# Altium PCB IntelliModule-Alpha-PCB-Rev-B.PcbDoc (continued)
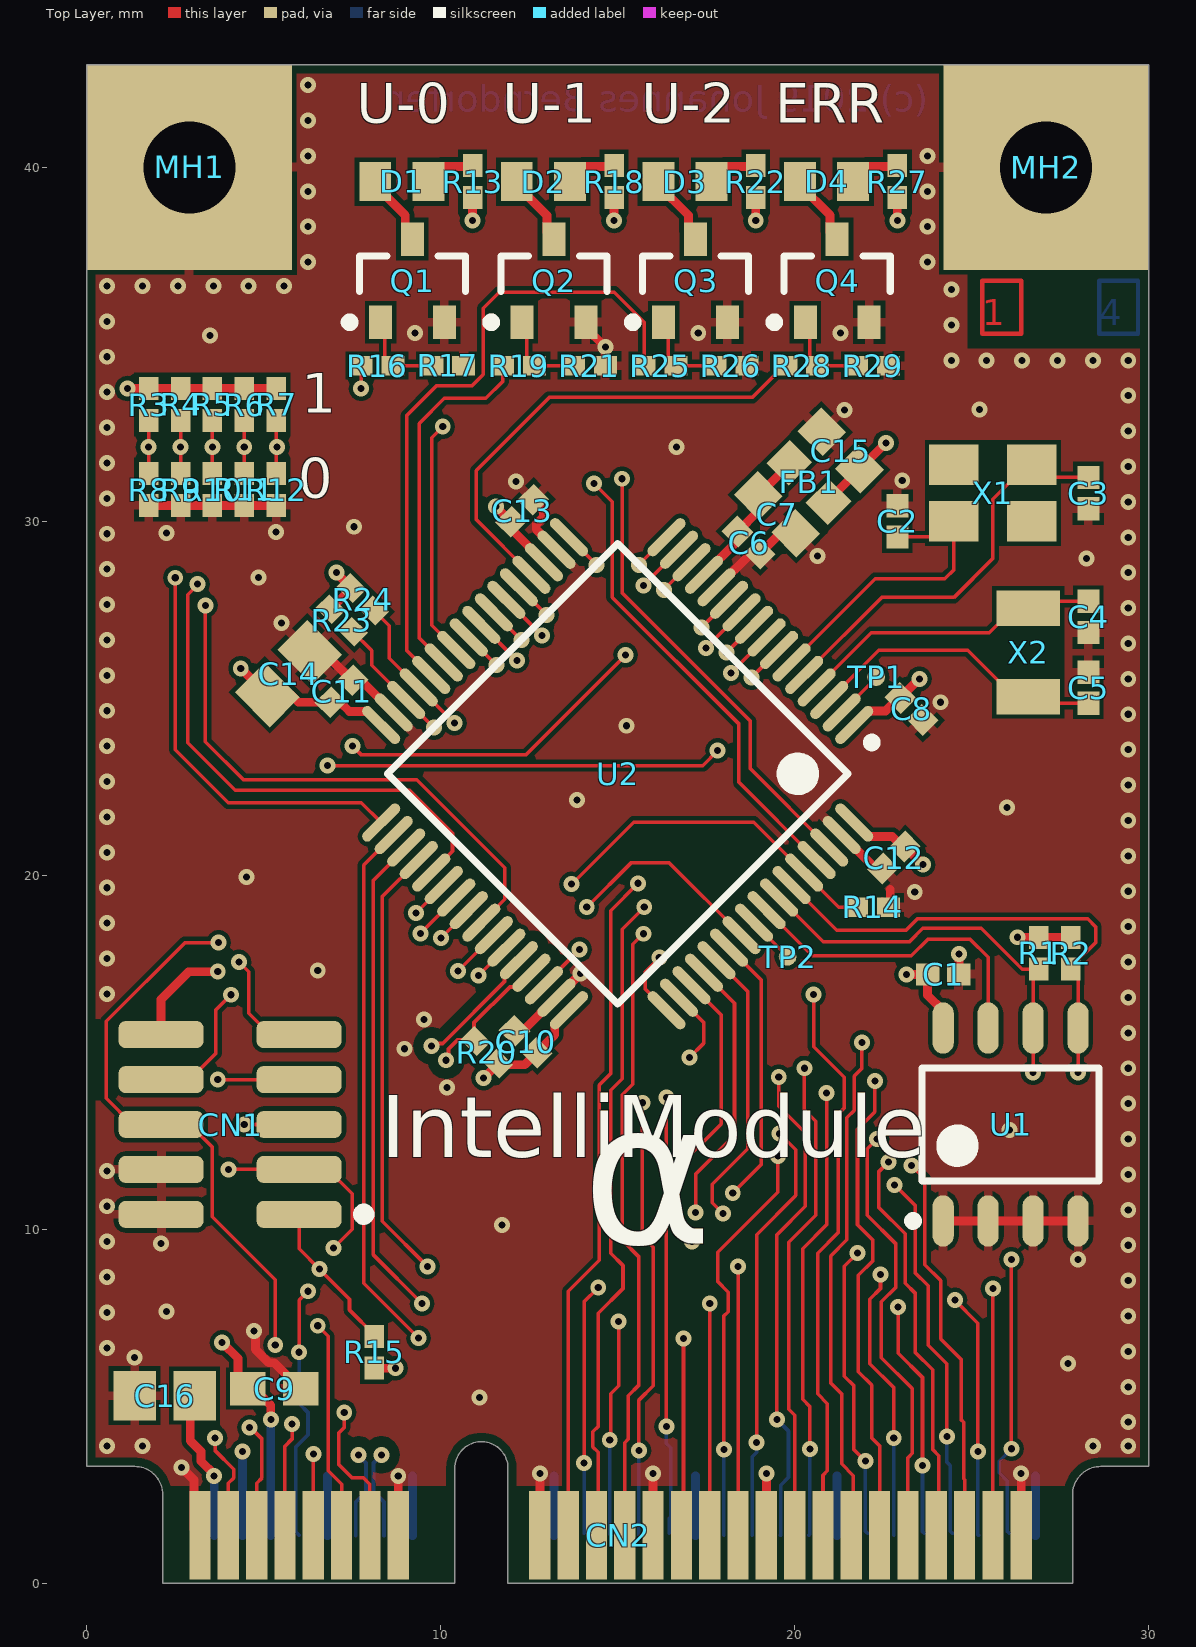
[diagram p0: Top Layer view]
## Part data (continued)
U2: "IC MCU STM32F103 ARM CORTEX M3 32 BIT 72MHz 256K FLASH 48K RAM LQFP-64", Case/Package=LQFP, Frequency=72MHz, Internal Part Number=IC000049, Manufacturer=STMicroelectronics, Max Operating Temperature=85°C, Max Power Dissipation=444mW, Max Supply Voltage=3.6V, Min Operating Temperature=-40°C, Min Supply Voltage=2V, Package Quantity=1000, Supplier Part Number 1=497-17384-1-ND, ComponentLink1Description=https://datasheet.ciiva.com/26816/stm32f103rct6tr-26816977.pdf?src-supplier=IIIC, ComponentLink1URL=https://datasheet.ciiva.com/26816/stm32f103rct6tr-26816977.pdf?src-supplier=IIIC, ComponentLink2Description=https://datasheet.ciiva.com/1594/cd00191185-1594721.pdf?src-supplier=Digi-Key, ComponentLink2URL=https://datasheet.ciiva.com/1594/cd00191185-1594721.pdf?src-supplier=Digi-Key, Contact Plating=Gold, Core Architecture=ARM, Data Bus Width=32b, Interface=I2C,SPI,USB,CAN,IrDA,UART,USART,LIN, Lead Free="Lead Free", Length=10mm, Manufacturer Part Number=STM32F103RCT6TR, Max Frequency=72MHz, Memory Size=256KB, Memory Type=FLASH, Number of I/Os=51, Number of Pins=64, Number of Programmable I/O=51, Number of Timers/Counters=8, Oscillator Type=Internal, Packaging="Tape and Reel", Peripherals="POR,PWM,WDT,DMA,Temp Sensor,I2C", Pricing 1="1 = 6,37000, 10 = 5,75400, 100 = 4,76350, 500 = 4,14804 (USD)", Radiation Hardening=No, RAM Size=48KB, RoHS=Yes, Stock 1=2139, Supplier 1=Digi-Key, Watchdog Timer=Yes
X1: library part TSX-322516.0000MF18X-AC0, "CRYSTAL 16MHZ 9PF SMD 4-SMD", Case/Package=4-SMD, ESR (Equivalent Series Resistance)=60R, Frequency=16MHz, Frequency Stability=18ppm, Frequency Tolerance=10ppm, Internal Part Number=XTAL000001, Load Capacitance=9pF, Manufacturer 1=Epson, Max Operating Temperature=75°C, Min Operating Temperature=-20°C, Supplier Part Number 1=SER4070CT-ND, ComponentLink1Description=https://www5.epsondevice.com/en/information/support/pdf/june_2018_psc_masterbook.pdf?src-supplier=Digi-Key, ComponentLink1URL=https://www5.epsondevice.com/en/information/support/pdf/june_2018_psc_masterbook.pdf?src-supplier=Digi-Key, ComponentLink2Description=https://www.eea.epson.com/wp-content/uploads/2016/11/November-2016-PCS-MASTER-BOOK.pdf?src-supplier=Verical, ComponentLink2URL=https://www.eea.epson.com/wp-content/uploads/2016/11/November-2016-PCS-MASTER-BOOK.pdf?src-supplier=Verical, ComponentLink3Description=https://www.eea.epson.com/wp-content/uploads/2016/11/November-2016-PCS-MASTER-BOOK.pdf?src-supplier=Mouser, ComponentLink3URL=https://www.eea.epson.com/wp-content/uploads/2016/11/November-2016-PCS-MASTER-BOOK.pdf?src-supplier=Mouser, ComponentLink4Description=https://www.eea.epson.com/wp-content/uploads/2016/11/November-2016-PCS-MASTER-BOOK.pdf?src-supplier=Dove, ComponentLink4URL=https://www.eea.epson.com/wp-content/uploads/2016/11/November-2016-PCS-MASTER-BOOK.pdf?src-supplier=Dove, Height=0.024inch, Length=0.126inch, Manufacturer Part Number 1=TSX-322516.0000MF18X-AC0, Mount="Surface Mount", Packaging="Tape and Reel", Pricing 1="1=0,36000, 10=0,30300, 50=0,27220, 100=0,24200, 500=0,22990 (USD)", RoHS=Yes, Stock 1=11995, Supplier 1=Digi-Key, Width=0.098inch
X2: library part FC-13532.7680KA-A5, "CRYSTAL 32.768KHZ 12.5PF SMD 2-SMD", Case/Package=2-SMD, ESR (Equivalent Series Resistance)=70kR, Frequency=32.768kHz, Frequency Tolerance=20ppm, Internal Part Number=XTAL000005, Load Capacitance=12.5pF, Manufacturer=Epson, Max Operating Temperature=85°C, Min Operating Temperature=-40°C, Supplier Part Number 1=SER4103CT-ND, ComponentLink1Description=https://support.epson.biz/td/api/doc_check.php?dl=brief_FC-135&lang=en&src-supplier=Digi-Key, ComponentLink1URL=https://support.epson.biz/td/api/doc_check.php?dl=brief_FC-135&lang=en&src-supplier=Digi-Key, ComponentLink2Description=https://www.eea.epson.com/wp-content/uploads/2016/11/November-2016-PCS-MASTER-BOOK.pdf?src-supplier=Digi-Key, ComponentLink2URL=https://www.eea.epson.com/wp-content/uploads/2016/11/November-2016-PCS-MASTER-BOOK.pdf?src-supplier=Digi-Key, Height=0.035inch, Length=0.126inch, Manufacturer Part Number=FC-13532.7680KA-A5, Mount="Surface Mount", Number of Pins=2, Packaging="Tape and Reel", Pricing 1="1 = 0,41000, 10 = 0,34400, 50 = 0,30940, 100 = 0,27500, 500 = 0,26126, 1000 = 0,22000 (USD)", RoHS=Yes, Series Resistance=70kR, Stock 1=86519, Supplier 1=Digi-Key, Width=0.061inch

## Via types
v1: diameter 0.45, hole 0.2, Top Layer to Bottom Layer, tented both sides, 262 vias

## Nets (pads, with @x,y where several pads share a name; then routed paths per layer and width w, separated by ;. In a path a pad name is that pad's centre, name@x,y a point inside that pad or via, vN(x,y) a via of type N, cw(c..) or ccw(c..) an arc to the next point about the centre after c; other vN are vias at no path point)
3V3: C1.1 C10.1 C11.1 C12.1 C13.1 C14.1 C15.1 C16.1 CN1.10 CN2.2 CN2.4 FB1.1 R1.1 R2.1 R3.1 R4.1 R5.1 R6.1 R7.1 R13.1 R15.1 R18.1 R20.1 R22.1 R23.1 R24.1 R27.1 U1.8 U2.19 U2.32 U2.48 U2.64 | length 37.1
  Top Layer w0.25: v1(1.15,33.75) R3.1 R4.1 R5.1 R6.1 R7.1 ; CN1.10 2.1,16.5 2.878,17.278 v1(3.7,17.278) ; C16.1@2.925,5.2 2.925,4.025 3.225,3.725 3.225,3.454 3.6,3.079 v1(3.6,3.025) ; v1(4.35,25.848) C14.1 5.771,25.099 5.981,24.889 C11.1 6.903,24.903 7.147,24.903 7.422,24.628 7.938,24.628 U2.32 ; R23.1 R24.1 v1(7.05,28.55) ; R15.1 v1(8.718,6.075) ; v1(10.9,38.5) R13.1 ; v1(11.211,14.275) R20.1 11.654,14.646 12.369,14.646 C10.1 13.223,15.5 13.223,15.789 U2.48 ; v1(11.557,30.421) C13.1 11.989,29.783 12.914,28.858 U2.19 ; v1(14.9,38.5) R18.1 ; v1(18.9,38.5) R22.1 ; FB1.1 20.955,30.594 C15.1 v1(22.579,32.219) ; U2.64 22.071,21.102 22.748,21.102 23.039,20.811 C12.1 23.622,20.3 v1(23.625,20.3) ; v1(22.9,38.5) R27.1 ; v1(23.16,17.2) C1.1 23.75,17.19 23.75,16.62 24.195,16.175 U1.8 ; v1(26.3,18.25) R1.1 R2.1
  Bottom Layer w0.25: CN2.2 v1(3.6,3.025) ; CN2.4 v1(4.4,3.725)
3V3_VDDA_MCU: C6.1 C7.1 FB1.2 U2.13 | length 4.2
  Top Layer w0.25: U2.13 17.44,28.504 18.389,29.454 C6.1 18.97,30.292 C7.1 19.845,31.606 FB1.2
GND: C1.2 C2.2 C3.2 C4.2 C5.2 C6.2 C7.2 C8.2 C9.2 C10.2 C11.2 C12.2 C13.2 C14.2 C15.2 C16.2 CN1.2 CN1.4 CN2.1 CN2.10 CN2.15 CN2.16 CN2.17 CN2.18 CN2.25 CN2.28 CN2.33 CN2.38 CN2.51 CN2.52 MH1.1 MH2.1 Q1.2 Q2.2 Q3.2 Q4.2 R8.2 R9.2 R10.2 R11.2 R12.2 R14.1 R17.2 R21.2 R26.2 R29.2 U1.1 U1.2 U1.3 U1.4 U2.12 U2.18 U2.31 U2.47 U2.63 | length 46
  Top Layer w0.25: R8.2 R9.2 R10.2 R11.2 R12.2 ; v1(2.675,3.275) 3.025,2.925 3.025,1.525 CN2.1 ; v1(4.725,7.125) 4.763,7.087 4.763,6.612 5.144,6.231 5.294,6.231 6.025,5.5 C9.2 ; C14.2@6.274,26.301 C14.2 6.693,26.301 7.497,25.497 7.499,25.499 7.761,25.499 8.658,24.602 U2.31 ; CN2.15 v1(8.8,3.025) ; Q1.2@10.1,35.475 Q1.2 ; C10.2 12.324,15.611 13.254,16.541 U2.47 v1(13.952,17.225) ; C13.2 12.597,30.597 12.9,30.294 12.9,30.123 12.7,29.923 12.7,29.779 13.268,29.212 U2.18 ; CN2.17 v1(12.8,3.1) ; Q2.2 14.1,35.475 v1(14.65,34.925) R21.2 ; CN2.25 v1(16,3.1) ; U2.12 17.807,28.137 18.758,29.089 C6.2 19.592,29.67 C7.2 ; Q3.2@18.1,35.475 Q3.2 ; CN2.33 v1(19.2,3.1) ; U2.63 21.342,21.137 22.29,20.189 C12.2 ; Q4.2@22.1,35.475 Q4.2 ; R14.1@22.475,19.25 22.625,19.1 R14.1 22.7,19.1 22.7,19.6 ; C12.2@22.475,20.175 C12.2 ; C12.2@22.686,20.189 C12.2 ; U1.1 U1.2 U1.3 U1.4 ; C1.2 v1(24.64,17.775) ; CN2.51 v1(26.4,3.1)
  Bottom Layer w0.25: CN2.10 6.8,3.025 ; CN2.16 9.2,3.025 ; CN2.18 13.2,3.025 ; CN2.28 17.2,3.025 ; CN2.38 21.2,3.025 ; CN2.52 26.8,3.025
  other v1: 0.575,3.875 1.575,3.875 28.425,3.875 29.425,3.875 29.425,4.55 11.095,5.25 29.425,5.55 27.725,6.212 1.35,6.375 29.425,6.55 0.575,6.65 29.425,7.55 0.575,7.65 2.25,7.675 29.425,8.55 0.575,8.65 28.005,9.15 29.425,9.55 2.1,9.6 0.575,9.65 11.734,10.125 29.425,10.55 0.575,10.65 29.425,11.55 0.575,11.65 29.425,12.55 26.075,12.804 29.425,13.55 10.175,14 29.425,14.55 8.975,15.1 29.425,15.55 9.525,15.925 29.425,16.55 0.575,16.65 6.525,17.316 29.425,17.55 0.575,17.65 29.425,18.55 0.575,18.65 23.392,19.525 29.425,19.55 0.575,19.65 4.512,19.95 29.425,20.55 0.575,20.65 29.425,21.55 0.575,21.65 26,21.922 13.85,22.125 29.425,22.55 0.575,22.65 29.425,23.55 0.575,23.65 15.245,24.225 29.425,24.55 0.575,24.65 24.123,24.889 29.425,25.55 0.575,25.65 29.425,26.55 0.575,26.65 5.5,27.125 29.425,27.55 0.575,27.65 4.85,28.408 29.425,28.55 0.575,28.65 28.25,28.95 20.65,29.025 29.425,29.55 0.575,29.65 2.25,29.675 5.35,29.7 7.55,29.848 29.425,30.55 0.575,30.65 12.125,31.125 23.039,31.157 29.425,31.55 0.575,31.65 16.66,32.1 29.425,32.55 0.575,32.65 21.405,33.15 25.225,33.157 29.425,33.55 0.575,33.65 24.425,34.55 25.425,34.55 26.425,34.55 27.425,34.55 28.425,34.55 29.425,34.55 0.575,34.65 3.484,35.25 9.275,35.325 17.275,35.325 21.3,35.325 24.425,35.55 0.575,35.65 24.425,36.55 0.575,36.65 1.575,36.65 2.575,36.65 3.575,36.65 4.575,36.65 5.575,36.65 6.25,37.325 23.75,37.325 6.25,38.325 23.75,38.325 6.25,39.325 23.75,39.325 6.25,40.325 23.75,40.325 6.25,41.325 6.25,42.325
MCU_BOOT0: CN2.5 R14.2 U2.60 | length 49.4
  Top Layer w0.1: v1(4.6,4.4) 4.625,4.4 4.95,4.075 4.95,2.975 4.8,2.825 CN2.5 ; v1(13.7,19.75) 15.45,21.5 18.844,21.5 U2.60 21.244,19.1 R14.2
  Layer 2 w0.1: v1(4.6,4.4) 4.6,6.475 4.25,6.825 4.25,8.325 3.675,8.9 3.675,10.75 3.15,11.275 3.15,14.6 1.55,16.2 1.55,20.5 6.95,25.9 10.923,25.9 11.9,24.923 11.9,21.35 13.125,20.125 13.325,20.125 v1(13.7,19.75)
MCU_PA0_GPIO0: CN2.35 U2.14 | length 31.1
  Top Layer w0.1: v1@16.306,28.064 U2.14 ; CN2.35 20,4.75 19.837,4.913 19.837,9.637 20.6,10.4 20.6,13.05 20.275,13.375 v1(20.275,14.55)
  Layer 2 w0.1: v1(16.306,28.062) 15.7,27.457 15.7,21.725 18.125,19.3 18.125,15.58 18.881,14.825 20,14.825 v1(20.275,14.55)
MCU_PA1_AUX1: CN2.8 U2.15 | length 39.3
  Top Layer w0.1: v1(6,6.525) 6,8 v1(6.25,8.25) ; v1(7.511,23.65) 7.761,23.4 12.4,23.4 v1(15.225,26.225) ; v1(15.724,28.189) U2.15
  Layer 2 w0.1: v1(6.25,8.25) 4.925,9.575 4.925,14.625 2.75,16.8 2.75,19.975 6.425,23.65 v1(7.511,23.65) ; v1(15.225,26.225) 15.225,27.691 v1(15.724,28.189)
  Bottom Layer w0.1: CN2.8 5.9,1.45 5.9,3.85 6.25,4.2 6.25,4.825 6,5.075 v1(6,6.525)
MCU_PA2_USART2_TX: CN2.34 U2.16 | length 32.1
  Top Layer w0.1: v1(15.599,28.77) U2.16 ; v1(19.5,4.625) 19.5,9.85 20.3,10.65 20.3,12.725 19.55,13.475 v1(19.55,14.3)
  Layer 2 w0.1: v1(15.599,28.77) 14.775,27.946 14.775,22 17.75,19.025 17.75,15.425 18.875,14.3 v1(19.55,14.3)
  Bottom Layer w0.1: v1(19.5,4.625) 19.825,4.3 19.825,2.996 19.602,2.773 19.602,1.352 CN2.34
MCU_PA3_USART2_RX: CN2.36 U2.17 | length 32.8
  Top Layer w0.1: U2.17 v1(14.403,28.771) ; v1@20.43,3.73 v1(20.43,3.795) 20.43,4.995 20.225,5.2 20.225,9.45 20.9,10.125 v1(20.9,13.85)
  Layer 2 w0.1: v1(14.403,28.771) 14.403,21.797 17.35,18.85 17.35,15.425 18.925,13.85 v1(20.9,13.85)
  Bottom Layer w0.1: CN2.36 20.43,1.38 v1(20.43,3.795)
MCU_PA4_ERRORLED: R28.1 U2.20 | length 13.6
  Top Layer w0.1: U2.20 11,30.051 11,31.436 13.064,33.5 18.8,33.5 19.7,34.4 R28.1
MCU_PA5_SPI1_SCK: CN2.19 U2.21 | length 29.4
  Top Layer w0.1: U2.21 v1@12.987,27.357 ; CN2.19 13.6,8.25 14.475,9.125 14.475,14.075 14.8,14.4 14.8,19 v1(15.575,19.775)
  Layer 2 w0.1: v1(12.989,27.357) 13.55,26.796 13.55,25.775 13.325,25.55 13.325,21.675 15.225,19.775 v1(15.575,19.775)
MCU_PA6_SPI1_MISO: CN2.21 U2.22 | length 29.4
  Top Layer w0.1: U2.22 v1(12.862,26.775) ; CN2.21 14.452,1.402 14.452,3.698 14.3,3.85 14.3,4.275 14.452,4.427 14.452,7.627 15.15,8.325 15.15,8.975 14.8,9.325 14.8,13.925 15.125,14.25 15.125,18.475 v1(15.75,19.1)
  Layer 2 w0.1: v1(12.862,26.775) 13.225,26.412 13.225,25.875 13.025,25.675 13.025,21.475 15.4,19.1 v1(15.75,19.1)
MCU_PA7_SPI1_MOSI: CN2.23 U2.23 | length 28.4
  Top Layer w0.1: U2.23 v1(12.282,26.65) ; CN2.23 15.198,1.352 15.198,3.973 15.3,4.075 15.3,5.3 15.6,5.6 15.6,9.217 15.125,9.692 15.125,13.8 15.425,14.1 15.425,18.051 v1(15.724,18.35)
  Layer 2 w0.1: v1(12.282,26.65) 12.75,26.182 12.75,21.325 15.724,18.351 v1(15.724,18.35)
MCU_PA8_HWBIT0: R3.2 R8.1 U2.41 | length 23
  Top Layer w0.1: R8.1 R3.2 ; v1(3.35,27.625) 3.35,23.775 4.427,22.698 9.327,22.698 11.807,20.218 11.807,19.323 U2.41
  Layer 2 w0.1: v1(1.75,32.1) 1.75,28 2.125,27.625 v1(3.35,27.625)
MCU_PA9_USART1_TX: CN1.8 CN2.30 U2.42 | length 38
  Top Layer w0.1: CN1.8 2.905,14.23 3.65,14.975 3.65,16.2 v1(4.075,16.625) ; v1(10.491,17.3) U2.42 ; v1(18,3.775) 18,7.55 18.125,7.675 18.125,8.225 17.825,8.525 17.825,9.35 19.525,11.05 v1(19.525,12.075)
  Layer 2 w0.1: v1(4.075,16.625) 7.025,19.575 9.6,19.575 10.491,18.684 v1(10.491,17.3) 10.558,17.233 10.558,16.942 12.675,14.825 12.675,13.975 14.225,12.425 19.175,12.425 v1(19.525,12.075)
  Bottom Layer w0.1: CN2.30 v1(18,3.775)
MCU_PA10_USART1_RX: CN1.9 CN2.32 U2.43 | length 37.2
  Top Layer w0.1: v1(4.3,17.55) 4.575,17.275 4.575,16.1 5.175,15.5 CN1.9 ; v1@11.073,17.175 U2.43 ; v1(18.925,3.975) 18.925,9.85 20.03,10.955 20.03,12.245 v1(19.575,12.7)
  Layer 2 w0.1: v1(4.3,17.55) 6.7,19.95 9.766,19.95 11.073,18.643 v1(11.073,17.173) 12.975,15.271 12.975,14.075 14.35,12.7 v1(19.575,12.7)
  Bottom Layer w0.1: CN2.32 CN2.32 18.798,3.572 18.925,3.699 v1(18.925,3.975)
MCU_PA13_JTAG_TMS_SWDIO: CN1.5 CN2.11 U2.46 | length 42.3
  Top Layer w0.1: v1(4.45,12.96) CN1.5 ; v1(6.525,7.275) 6.825,6.975 6.825,3.175 7.2,2.8 CN2.11 ; U2.46 v1(13.923,17.903)
  Layer 2 w0.1: v1(6.525,7.275) 4.45,9.35 v1(4.45,12.96) 4.45,14.668 2.45,16.668 2.45,20.1 7.35,25 10.45,25 10.925,24.525 10.925,20.901 v1(13.923,17.903)
MCU_PA14_JTAG_TCK_SWCLK: CN1.3 CN2.13 U2.49 | length 47.1
  Top Layer w0.1: v1(4,11.69) CN1.3 6.81,11.69 7.497,11.003 7.497,9.997 v1(6.975,9.475) ; v1(7.275,4.825) 7.275,4.4 7.125,4.25 7.125,3.35 7.5,2.975 7.825,2.975 8,2.8 CN2.13 ; v1(16.175,17.675) 15.778,17.278 15.778,16.788 U2.49
  Layer 2 w0.1: v1(4,11.69) 4,13.3 4.15,13.45 4.15,14.525 2.15,16.525 2.15,20.225 7.225,25.3 10.6,25.3 11.25,24.65 11.25,21.025 13.7,18.575 14.2,18.575 15.1,17.675 v1(16.175,17.675) ; v1(6.975,9.475) 7.275,9.175 v1(7.275,4.825)
MCU_PA15_JTAG_TDI: CN1.6 CN2.7 U2.50 | length 44.1
  Top Layer w0.1: v1(3.725,18.1) 2.775,18.1 0.55,15.875 0.55,13.7 1.29,12.96 CN1.6 2.915,12.96 3.55,12.325 3.55,10.35 5.325,8.575 v1(5.325,6.725) ; CN2.7 5.6,3.875 5.8,4.075 v1(5.8,4.5) ; U2.50 17.425,15.848 17.425,15.25 v1(17.025,14.85)
  Layer 2 w0.1: v1(3.725,18.1) 6.15,20.525 9.775,20.525 12.35,17.95 12.35,16.625 14.075,14.9 14.075,14.25 15.225,13.1 16.75,13.1 17.025,13.375 v1(17.025,14.85) ; v1(5.325,6.725) 5.325,5.5 5.8,5.025 v1(5.8,4.5)
MCU_PB0_USERLED_0: R16.1 U2.26 | length 10.1
  Top Layer w0.1: v1(7.75,33.75) R16.1 ; 9.742,27.7 9.742,27.067 U2.26 ; 9.742,27.7 9.742,32.36 v1(10.057,32.675)
  Layer 2 w0.1: v1(7.75,33.75) 8.825,32.675 v1(10.057,32.675)
MCU_PB1_USERLED_1: R19.1 U2.27 | length 10.3
  Top Layer w0.1: 9.388,28.053 9.388,26.713 U2.27 ; 9.389,28.054 9.389,32.764 10.1,33.475 11.275,33.475 11.75,33.95 R19.1
MCU_PB2_USERLED_2: R25.1 U2.28 | length 18.4
  Top Layer w0.1: U2.28 9.035,26.36 9.035,28.407 9.035,32.985 9.875,33.825 10.875,33.825 11.2,34.15 11.2,36.025 11.65,36.475 14.9,36.475 15.75,35.625 R25.1
MCU_PB3_JTAG_TDO_TRACE_SWO: CN1.7 CN2.9 U2.55 | length 48.3
  Top Layer w0.1: v1(3.7,14.23) CN1.7 ; CN2.9 v1(6.4,3.65) ; v1(14.125,19.1) 15.375,20.35 16.459,20.35 U2.55
  Layer 2 w0.1: v1(6.4,3.65) 6.402,3.652 6.402,6.723 4.025,9.1 4.025,10.9 3.575,11.35 3.575,13.325 3.7,13.45 v1(3.7,14.23) 3.7,14.5 1.85,16.35 1.85,20.375 7.075,25.6 10.782,25.6 11.575,24.807 11.575,21.2 13.675,19.1 v1(14.125,19.1)
MCU_PB4_JTAG_TRSTn: TP2.1 U2.56 | length 1.4
  Top Layer w0.1: U2.56 18.854,18.646 TP2.1
MCU_PB5_EEPROM_WP: U1.7 U2.57 | length 9.2
  Top Layer w0.1: U2.57 20.498,17.725 23.295,17.725 23.77,18.2 24.95,18.2 25.465,17.685 U1.7
MCU_PB6_I2C1_SCL: CN2.20 R1.2 U1.6 U2.58 | length 38.7
  Top Layer w0.1: v1(14.05,3.4) 14.05,7.95 v1(14.45,8.35) ; U2.58 20.805,18.125 23.245,18.125 23.62,18.5 25.275,18.5 26.425,17.35 R1.2 26.735,17.185 U1.6 v1(26.735,14.425)
  Layer 2 w0.1: v1(14.45,8.35) 19.025,8.35 20.7,6.675 25.05,6.675 27.21,8.835 27.21,13.95 v1(26.735,14.425)
  Bottom Layer w0.1: v1(14.05,3.4) 14.05,1.417 CN2.20@14.059,1.409
MCU_PB7_I2C1_SDA: CN2.22 R2.2 U1.5 U2.59 | length 39.8
  Top Layer w0.1: v1(14.776,4.05) 14.8,4.074 14.8,5.35 15.025,5.575 v1(15.025,7.4) ; U2.59 21.187,18.45 23.145,18.45 23.47,18.775 28.275,18.775 28.5,18.55 28.5,18.1 27.8,17.4 R2.2 28.005,17.145 U1.5 v1(28.005,14.425)
  Layer 2 w0.1: v1(15.025,7.4) 19.05,7.4 20.075,6.375 25.2,6.375 27.55,8.725 27.55,13.97 v1(28.005,14.425)
  Bottom Layer w0.1: v1(14.776,4.05) 14.776,1.374 CN2.22
MCU_PB8_HWBIT1: R4.2 R9.1 U2.61 | length 27.8
  Top Layer w0.1: R9.1 v1(2.65,32.1) R4.2 ; v1(14.325,31.075) 14.85,30.55 14.85,27.85 18.425,24.275 18.425,22.626 U2.61
  Layer 2 w0.1: v1(2.65,32.1) 3.1,31.65 3.8,31.65 4,31.85 4,32.3 4.225,32.525 5.825,32.525 6.8,31.55 13.85,31.55 v1(14.325,31.075)
MCU_PB9_HWBIT2: R5.2 R10.1 U2.62 | length 27.4
  Top Layer w0.1: R10.1 v1(3.55,32.1) R5.2 ; v1(15.125,31.203) 15.125,27.975 18.75,24.35 18.75,23.008 U2.62
  Layer 2 w0.1: v1(3.55,32.1) 3.55,32.65 3.9,33 6.1,33 7.225,31.875 14.453,31.875 v1(15.125,31.203)
MCU_PB10_I2C2_SCL: CN2.26 R24.2 U2.29 | length 29.9
  Top Layer w0.1: R24.2 8.55,27.05 8.55,26.137 U2.29 v1(10.387,24.3) ; v1(16.375,4.425) v1(16.375,13.725)
  Layer 2 w0.1: v1(10.387,24.3) 10.375,24.288 10.4,24.263 10.4,23.875 10.057,23.532 10.057,21.093 13.35,17.8 13.35,16.75 v1(16.375,13.725)
  Bottom Layer w0.1: v1(16.375,4.425) 16.375,3.95 16.5,3.825 16.5,1.875 16.459,1.834 CN2.26@16.459,1.409
MCU_PB11_I2C2_SDA: CN2.24 R23.2 U2.30 | length 29.2
  Top Layer w0.1: R23.2 8.05,26.35 8.05,25.93 U2.30 9.805,24.175 v1(9.807,24.175) ; v1(15.6,3.75) 15.6,5.175 16,5.575 16,9.492 15.7,9.792 v1(15.7,13.575)
  Layer 2 w0.1: v1(9.807,24.175) 9.807,20.975 13.1,17.682 13.1,16.625 15.7,14.025 v1(15.7,13.575)
  Bottom Layer w0.1: CN2.24 15.6,2.931 15.598,2.933 15.598,3.748 v1(15.6,3.75)
MCU_PB12_HWBIT3: R6.2 R11.1 U2.33 | length 17.5
  Top Layer w0.1: v1(2.5,28.407) 2.5,23.55 4,22.05 7.758,22.05 U2.33 ; R11.1 v1(4.45,32.1) R6.2
  Layer 2 w0.1: v1(2.5,28.407) 2.5,29.125 4.45,31.075 v1(4.45,32.1)
MCU_PB13_SPI2_SCK: CN2.27 U2.34 | length 28.2
  Top Layer w0.1: U2.34 7.825,20.291 7.825,8.475 v1(9.375,6.925) ; CN2.27@16.859,1.409 v1(16.859,6.916)
  Layer 2 w0.1: v1(9.375,6.925) 9.384,6.916 v1(16.859,6.916)
MCU_PB14_SPI2_MISO: CN2.29 U2.35 | length 28.5
  Top Layer w0.1: U2.35 8.1,19.858 8.1,9.275 v1(9.475,7.9) ; CN2.29 17.598,1.352 17.598,7.898 v1(17.6,7.9)
  Layer 2 w0.1: v1(9.475,7.9) v1(17.6,7.9)
MCU_PB15_SPI2_MOSI: CN2.31 U2.36 | length 28.8
  Top Layer w0.1: U2.36 8.35,19.401 8.35,10.225 v1(9.625,8.95) ; CN2.31 18.402,1.352 18.402,8.948 v1(18.4,8.95)
  Layer 2 w0.1: v1(9.625,8.95) v1(18.4,8.95)
MCU_PC0_GPIO1: CN2.37 U2.8 | length 28.4
  Top Layer w0.1: v1(18.198,25.714) U2.8 ; v1(20.538,16.638) 20.538,15.159 21.4,14.296 21.4,13.425 21.225,13.25 21.225,9.9 20.65,9.325 20.65,5.35 20.925,5.075 20.925,3.175 20.8,3.05 20.8,1.467 CN2.37@20.859,1.409
  Layer 2 w0.1: v1(18.198,25.714) 17.125,24.641 17.125,22.4 19.525,20 19.525,17.65 v1(20.538,16.638)
MCU_PC1_GPIO2: CN2.39 U2.9 | length 30.1
  Top Layer w0.1: v1@18.073,26.296 U2.9 ; CN2.39@21.659,1.409 21.659,3.041 21.329,3.371 21.329,5.346 21.019,5.656 21.019,9.244 21.475,9.7 21.475,13.15 21.682,13.357 21.682,14.329 21.9,14.546 v1(21.9,15.275)
  Layer 2 w0.1: v1(18.073,26.295) 16.8,25.021 16.8,22.275 19.175,19.9 19.175,16.575 19.825,15.925 21.25,15.925 v1(21.9,15.275)
MCU_PC2_GPIO3: CN2.41 U2.10 | length 31
  Top Layer w0.1: v1(17.491,26.421) U2.10 ; v1(22.266,14.185) 22.266,13.316 21.775,12.825 21.775,10.125 22.2,9.7 22.2,9.1 21.8,8.7 21.8,5.975 22.175,5.6 22.175,4.104 22.402,3.877 22.402,1.387 CN2.41@22.419,1.369
  Layer 2 w0.1: v1(17.491,26.421) 16.475,25.405 16.475,22.1 18.85,19.725 18.85,16.05 19.375,15.525 20.925,15.525 v1(22.266,14.185)
MCU_PC3_GPIO4: CN2.43 U2.11 | length 31.9
  Top Layer w0.1: v1(17.366,27.002) U2.11 ; v1(22.325,12.55) 22.05,12.275 22.05,10.4 22.85,9.6 22.85,8.35 22.45,7.95 22.45,6.375 23.325,5.5 23.325,3.675 23.2,3.55 CN2.43
  Layer 2 w0.1: v1(17.366,27.002) 16.1,25.736 16.1,21.875 18.5,19.475 18.5,15.725 19.05,15.175 20.725,15.175 21.725,14.175 21.725,13.15 v1(22.325,12.55)
MCU_PC4_GPIO5: CN2.45 U2.24 | length 39.7
  Top Layer w0.1: U2.24 v1(12.155,26.068) ; v1(22.65,11.9) 22.37,11.62 22.37,10.625 23.125,9.87 23.125,8.475 23.4,8.2 23.4,6.525 23.898,6.027 23.898,3.777 24.075,3.6 24.075,1.425 CN2.45@24.059,1.409
  Layer 2 w0.1: v1(12.155,26.068) 11.725,26.498 11.725,27.075 14.025,29.375 16.025,29.375 19.325,26.075 19.325,22.475 20.325,21.475 20.325,17.975 23.025,15.275 23.025,12.275 v1(22.65,11.9)
MCU_PC5_GPIO6: CN2.47 U2.25 | length 40.3
  Top Layer w0.1: U2.25 v1@11.573,25.943 ; v1(23.3,11.8) 23.675,11.425 23.675,9 24.123,8.552 24.123,6.902 24.7,6.325 24.7,4.625 24.774,4.551 24.774,2.951 24.8,2.925 CN2.47
  Layer 2 w0.1: v1(11.575,25.943) 11.225,26.292 11.225,27 13.9,29.675 16.2,29.675 19.675,26.2 19.675,22.625 20.65,21.65 20.65,18.1 23.3,15.45 v1(23.3,11.8)
MCU_PC6_HWBIT4: R7.2 R12.1 U2.37 | length 20.8
  Top Layer w0.1: v1(3.125,28.226) 3.125,28.2 2.85,27.925 2.85,23.75 4.2,22.4 9.125,22.4 10.333,21.192 10.333,20.677 U2.37 ; R12.1 R7.2
  Layer 2 w0.1: v1(3.125,28.226) 3.125,29.05 5.375,31.3 v1(5.375,32.1)
MCU_PC7_GPIO8: CN2.50 U2.38 | length 34.4
  Top Layer w0.1: v1@9.305,18.942 U2.38 ; v1(26.125,3.8) v1(26.125,9.15)
  Layer 2 w0.1: v1(9.305,18.941) 8.875,18.511 8.875,17.275 11.7,14.45 11.7,13.65 13.875,11.475 18.525,11.475 19.675,10.325 22.075,10.325 23.95,8.45 23.95,7.75 24.2,7.5 24.825,7.5 25.15,7.825 25.15,8.775 25.525,9.15 v1(26.125,9.15)
  Bottom Layer w0.1: CN2.50@26.059,1.409 26,1.467 26,2.9 25.775,3.125 25.775,3.45 v1(26.125,3.8)
MCU_PC8_GPIO9: CN2.48 U2.39 | length 29.2
  Top Layer w0.1: v1(9.43,18.36) U2.39 ; v1(24.525,8) 25.176,7.349 v1(25.176,3.725)
  Layer 2 w0.1: v1(9.43,18.36) 9.43,17.195 12.025,14.6 12.025,13.775 14,11.8 18.65,11.8 19.675,10.775 22.225,10.775 24.525,8.475 v1(24.525,8)
  Bottom Layer w0.1: v1(25.176,3.725) 25.176,1.374 CN2.48
MCU_PC9_GPIO10: CN2.46 U2.40 | length 28.5
  Top Layer w0.1: v1(10.012,18.234) U2.40 ; v1(22.825,11.25) 23.4,10.675 23.4,8.775 23.775,8.4 23.775,6.725 24.3,6.2 v1(24.3,4.15)
  Layer 2 w0.1: v1(10.012,18.234) 10.012,17.038 12.325,14.725 12.325,13.925 14.125,12.125 18.825,12.125 19.7,11.25 v1(22.825,11.25)
  Bottom Layer w0.1: v1(24.3,4.15) 24.3,3.425 24.4,3.325 24.4,1.467 CN2.46@24.459,1.409
MCU_PC10_GPIO11: CN2.44 U2.51 | length 21.6
  Top Layer w0.1: U2.51 17.925,16.055 17.925,12.975 16.7,11.75 16.7,10.05 v1(17.1,9.65) ; v1(22.925,7.8) 22.925,6.5 23.611,5.814 v1(23.611,3.325)
  Layer 2 w0.1: v1(17.1,9.65) 18.35,9.65 20.2,7.8 v1(22.925,7.8)
  Bottom Layer w0.1: v1(23.611,3.325) 23.611,1.456 CN2.44@23.659,1.409
MCU_PC11_GPIO12: CN2.42 U2.52 | length 21.3
  Top Layer w0.1: v1(17.2,10.475) 17.2,11.55 18.3,12.65 18.3,16.387 U2.52 ; v1(22.425,8.725) 22.425,8.325 22.125,8.025 22.125,6.206 22.8,5.531 v1(22.8,4.1)
  Layer 2 w0.1: v1(17.2,10.475) 17.675,10 18.381,10 19.081,9.3 21.025,9.3 21.6,8.725 v1(22.425,8.725)
  Bottom Layer w0.1: CN2.42 v1(22.8,4.1)
MCU_PC12_GPIO13: CN2.40 U2.53 | length 20.7
  Top Layer w0.1: U2.53 18.675,16.719 18.675,12.275 17.675,11.275 17.675,10.75 v1(17.975,10.45) ; v1(21.775,9.325) 21.405,8.955 21.405,5.845 21.675,5.575 21.675,3.775 v1(22,3.45)
  Layer 2 w0.1: v1(17.975,10.45) 18.375,10.45 19.225,9.6 21.5,9.6 v1(21.775,9.325)
  Bottom Layer w0.1: v1(22,3.45) 22,1.467 CN2.40@22.059,1.409
MCU_PC13_RTC_TAMPER: TP1.1 U2.2 | length 1.4
  Top Layer w0.1: U2.2 21.329,24.615 22.3,25.587 TP1.1
MCU_PD2_GPIO7: CN2.49 U2.54 | length 24.7
  Top Layer w0.1: U2.54 19.05,17.052 19.05,11.825 v1(18.25,11.025) ; CN2.49 CN2.49 v1(25.601,8.325)
  Layer 2 w0.1: v1(18.25,11.025) 19.35,9.925 22.025,9.925 23.6,8.35 23.6,7.625 24.025,7.2 24.925,7.2 25.601,7.876 v1(25.601,8.325)
MCU_RESETn: CN1.1 CN2.3 R15.2 U2.7 | length 49.3
  Top Layer w0.1: v1(3.625,4.1) 3.625,3.75 4.15,3.225 4.15,2.975 4,2.825 CN2.3 ; CN1.1 6,9.45 v1(6.575,8.875) 7.422,8.028 7.422,7.721 8.118,7.025 R15.2 ; v1(6.8,23.1) 17.4,23.1 v1(17.825,23.525) ; v1@18.781,25.589 U2.7
  Layer 2 w0.1: v1(3.625,4.1) 3.625,3.725 4.175,3.175 6.825,3.175 7.1,3.45 7.1,4.1 6.75,4.45 6.75,6.45 6.975,6.675 6.975,8.475 v1(6.575,8.875) 5.475,9.975 5.475,14.55 3.125,16.9 3.125,19.425 v1(6.8,23.1) ; v1(17.825,23.525) 18.45,24.15 18.45,25.257 v1(18.781,25.588)
MCU_USB_D_N: CN2.12 U2.44 | length 18.5
  Top Layer w0.111: v1(9.742,15.183) 9.807,15.248 10.057,15.248 11.807,16.998 11.807,17.202 U2.44
  Layer 2 w0.096: v1(7.675,3.625) 7.675,3.64 7.889,3.853 7.889,13.079 9.703,14.893 9.703,15.143 v1(9.742,15.183)
  Bottom Layer w0.111: CN2.12 7.6,2.3 7.894,2.594 7.894,3.401 7.675,3.62 v1(7.675,3.625)
MCU_USB_D_P: CN2.14 R20.2 U2.45 | length 18.6
  Top Layer w0.111: v1(10.15,14.775) 10.215,14.84 10.215,15.09 10.479,15.354 R20.2@10.946,15.354 ; R20.2 R20.2@10.946,15.354 ; U2.45 12.161,16.848 11.957,16.848 10.946,15.838 R20.2@10.946,15.354
  Layer 2 w0.096: v1(8.325,3.625) 8.325,3.64 8.112,3.853 8.112,12.987 9.86,14.735 10.111,14.735 v1(10.15,14.775)
  Bottom Layer w0.111: v1(8.325,3.625) 8.325,3.621 8.106,3.401 8.106,2.594 8.4,2.3 CN2.14
MCU_XTAL32_OSC_IN: C5.1 U2.3 X2.1 | length 8.5
  Top Layer w0.1: U2.3 22.379,26.36 24.89,26.36 26.2,25.05 X2.1 26.79,24.86 C5.1
MCU_XTAL32_OSC_OUT: C4.1 U2.4 X2.2 | length 8.7
  Top Layer w0.1: U2.4 22.163,26.85 25.5,26.85 26.2,27.55 X2.2 26.79,27.74 C4.1
MCU_XTAL_OSC_IN: C3.1 U2.5 X1.1 | length 11.6
  Top Layer w0.1: U2.5 22.456,27.85 24.5,27.85 25.6,28.95 25.6,30.625 26.575,31.6 X1.1 27.06,31.24 C3.1
MCU_XTAL_OSC_OUT: C2.1 U2.6 X1.3 | length 8.8
  Top Layer w0.1: U2.6 22.273,28.375 24.241,28.375 24.5,28.634 X1.3 24.06,29.56 C2.1
NetD1_1: D1.1 Q1.3 | length 2.1
  Top Layer w0.25: D1.1 8.15,39.5 9,38.65 9,38.175 Q1.3
NetD1_2: D1.2 R13.2 | length 1.5
  Top Layer w0.25: D1.2 9.65,39.7 9.975,40.025 10.875,40.025 R13.2
NetD2_1: D2.1 Q2.3 | length 2.1
  Top Layer w0.25: D2.1 12.15,39.5 13,38.65 13,38.175 Q2.3
NetD2_2: D2.2 R18.2 | length 1.5
  Top Layer w0.25: D2.2 13.65,39.7 13.975,40.025 14.875,40.025 R18.2
NetD3_1: D3.1 Q3.3 | length 2.1
  Top Layer w0.25: D3.1 16.15,39.5 17,38.65 17,38.175 Q3.3
NetD3_2: D3.2 R22.2 | length 1.5
  Top Layer w0.25: D3.2 17.65,39.7 17.975,40.025 18.875,40.025 R22.2
NetD4_1: D4.1 Q4.3 | length 2.1
  Top Layer w0.25: D4.1 20.15,39.5 21,38.65 21,38.175 Q4.3
NetD4_2: D4.2 R27.2 | length 1.5
  Top Layer w0.25: D4.2 21.65,39.7 21.975,40.025 22.875,40.025 R27.2
NetQ1_1: Q1.1 R16.2 R17.1 | length 2.5
  Top Layer w0.1: Q1.1 8.425,35.5 8.425,34.625 R16.2 R17.1
NetQ2_1: Q2.1 R19.2 R21.1 | length 2.5
  Top Layer w0.1: Q2.1 12.425,35.5 12.425,34.625 R19.2 R21.1
NetQ3_1: Q3.1 R25.2 R26.1 | length 2.5
  Top Layer w0.1: Q3.1 16.425,35.5 16.425,34.625 R25.2 R26.1
NetQ4_1: Q4.1 R28.2 R29.1 | length 2.5
  Top Layer w0.1: Q4.1 20.425,35.5 20.425,34.625 R28.2 R29.1
VBAT_MCU: C8.1 C9.1 CN2.6 U2.1 | length 51.8
  Top Layer w0.25: v1(3.825,6.8) 4.275,6.35 4.275,5.775 C9.1 4.725,5.5 5.2,5.025 v1(5.2,4.625) ; U2.1 22.081,24.647 22.572,24.647 22.936,25.011 22.987,25.011 v1(23.525,25.55) v1(23.525,25.55)
  Layer 2 w0.25: v1(3.825,6.8) 3.825,7.975 3.15,8.65 3.15,10.5 2.625,11.025 2.625,14.375 1.125,15.875 1.125,20.85 6.875,26.6 9.975,26.6 13.5,30.125 16.6,30.125 21.175,25.55 v1(23.525,25.55)
  Bottom Layer w0.25: CN2.6 v1(5.2,4.625)
pads on no net: X1.2 X1.4
copper on no net: | length 20.8
  Top Layer w0.125: 25.3,35.3 25.3,36.8 26.4,36.8 26.4,35.3 25.3,35.3
  Layer 1 w0.125: 26.4,35.3 27.5,35.3 27.5,36.8 26.4,36.8 26.4,35.3
  Layer 2 w0.125: 27.5,35.3 28.6,35.3 28.6,36.8 27.5,36.8 27.5,35.3
  Bottom Layer w0.125: 28.6,35.3 29.7,35.3 29.7,36.8 28.6,36.8 28.6,35.3

## Polygon pours and split planes (outlines as drawn)
3V3 on Layer 1 "3V3_L02_P008" (solid, remove dead copper, pour order 8): 0,0 0,42.9 30,42.9 30,0
GND on Layer 1 "GND_L02_P002" (solid, remove dead copper, pour order 2): 8.675,15.2 9.6,16.125 10.325,16.125 12.475,18.275 12.775,18.275 13.225,17.825 13.225,17.575 10.825,15.175 10.825,14.275 10.375,13.825 9.85,13.825 8.675,15
GND on Bottom Layer "GND_L04_P004" (solid, remove dead copper, pour order 4): 0,0 0,42.9 30,42.9 30,0
GND on Top Layer "GND_L01_P015" (solid, remove dead copper, pour order 15): 0,0 0,42.9 30,42.9 30,0

## Other copper
Top Layer:
  pour cut-out: 25.573,24.423 25.573,28.177 27.627,28.177 27.627,24.423
  pour cut-out: 23.673,29.298 23.673,32.302 27.527,32.302 27.527,29.298
  pour cut-out: 0,0 30,0 30,2.75 0,2.75
  pour cut-out: 24.875,34.875 24.875,37 29.9,37 29.9,34.875
  text "1" at 25.3,35.3 h1.25
Layer 1:
  pour cut-out: 0,0 30,0 30,2.75 0,2.75
  pour cut-out: 25.1,35.1 25.1,37 29.9,37 29.9,35.1
  text "2" at 26.4,35.3 h1.25
Layer 2:
  pour cut-out: 25.1,35.1 25.1,37 29.9,37 29.9,35.1
  text "3" at 27.5,35.3 h1.25
Bottom Layer:
  pour cut-out: 0,0 30,0 30,2.75 0,2.75
  pour cut-out: 25.1,35.1 25.1,37 29.9,37 29.9,35.1
  text "(c) 2019 Johannes Berndorfer" at 23.779,41.575 h0.75
  text "4" at 28.6,35.3 h1.25

## Silkscreen, mask and mechanical layers (free items; w line width, h text height)
Top Overlay:
  circle w0.3: c7.825,10.425 r0.15
  text "U-0" at 7.625,40.9 h1.9
  text "U-1" at 11.75,40.9 h1.9
  text "U-2" at 15.675,40.9 h1.9
  text "ERR" at 19.45,40.9 h1.9
  text "1" at 6.075,32.7 h1.9
  text "0" at 5.975,30.3 h1.9
  text "IntelliModule" at 8.3,11.45 h3
  text "α" at 14,8.25 h7
Top Solder:
  rectangle: 25.2,35.2 29.8,36.9
  rectangle: 0,-0.1 30,2.7
Bottom Solder:
  rectangle: 25.2,35.2 29.8,36.9
  rectangle: 0,-0.1 30,2.7
  text "Rev. B" at 28.9,34 h1 r90
Board:
  lines w0.2: 2.15,0 2.15,2.5 ccw(c1.35,2.5) 1.35,3.3 0,3.3 0,42.9 30,42.9 30,3.3 28.65,3.3 ccw(c28.65,2.5) 27.85,2.5 27.85,0 11.9,0 ; 2.15,0 2.15,0 ; 2.15,0 10.4,0 10.4,3.25 cw(c11.15,3.25) 11.9,3.25 11.9,0 ; 11.9,0 11.9,0 ; 11.9,0 11.9,0

## Dimensions
2.15,0 to 2.9,40 on Mechanical 1
2.15,0 to 27.85,0 on Mechanical 1
0,3.3 to 30,3.3 on Mechanical 1

## Text inside footprints (layer, text, board x,y; h text height)
TP1: Top Assembly "TP" at 22.05,25.425 h0.3
TP2: Top Assembly "TP" at 19.55,17.525 h0.3